# KiCad board 75he.kicad_pcb
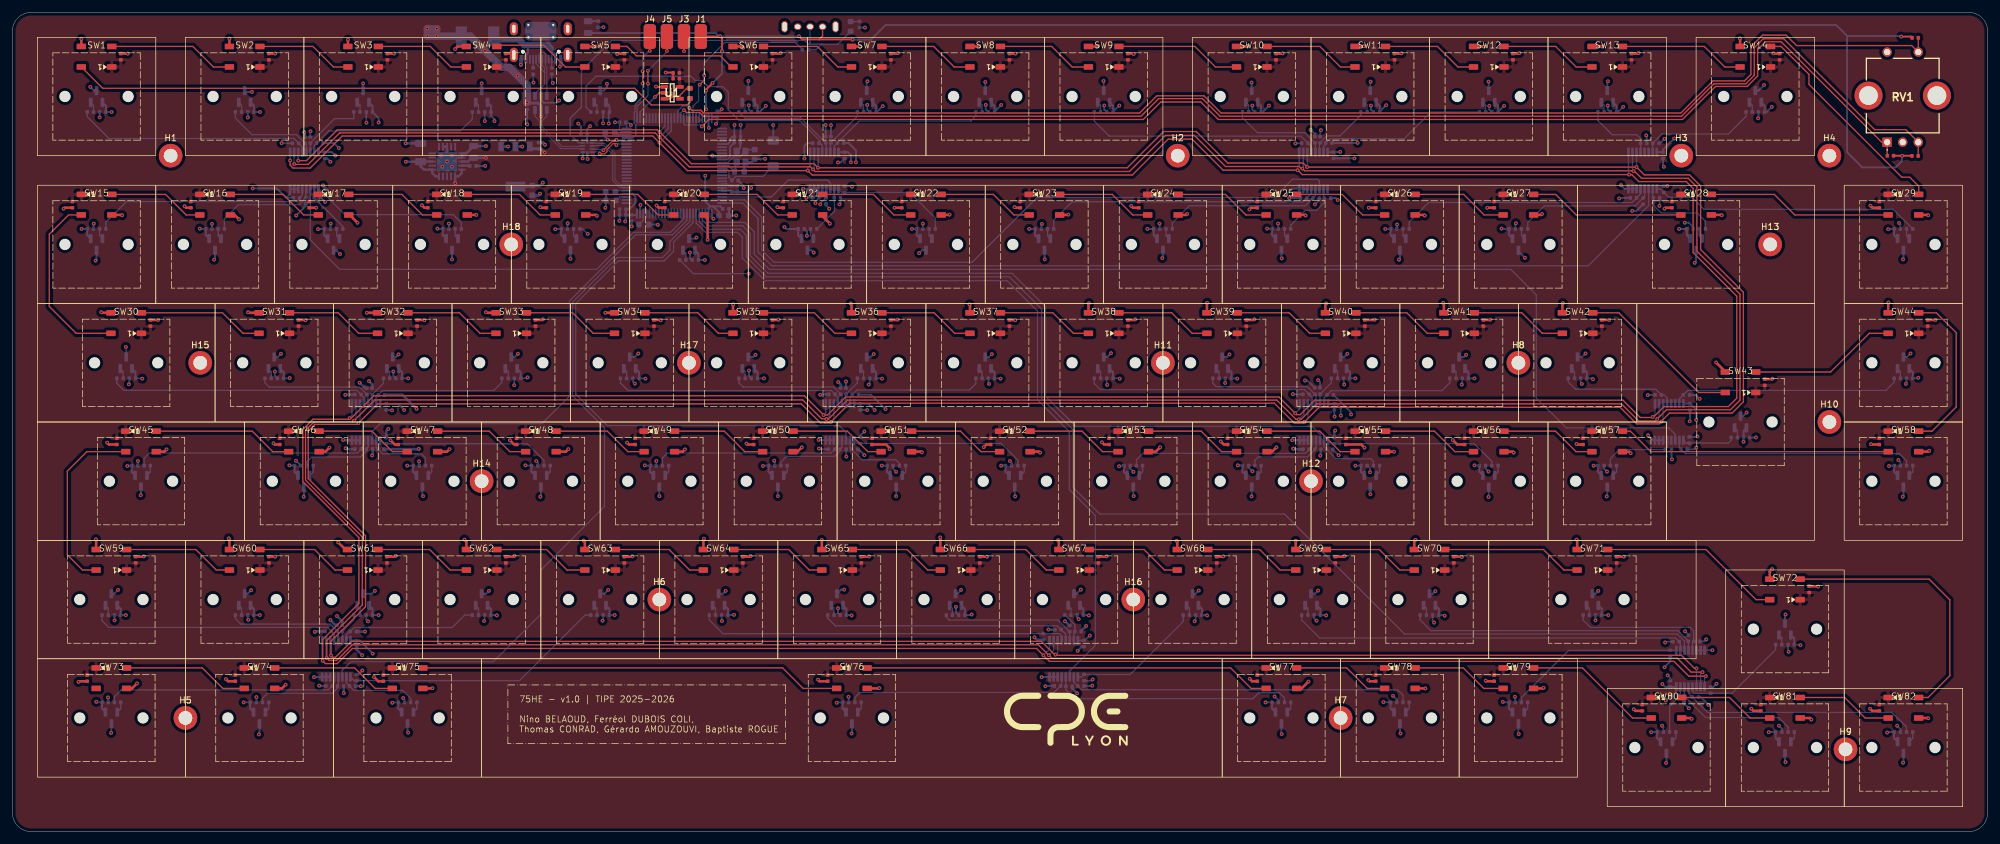
[diagram p0: board, top side]
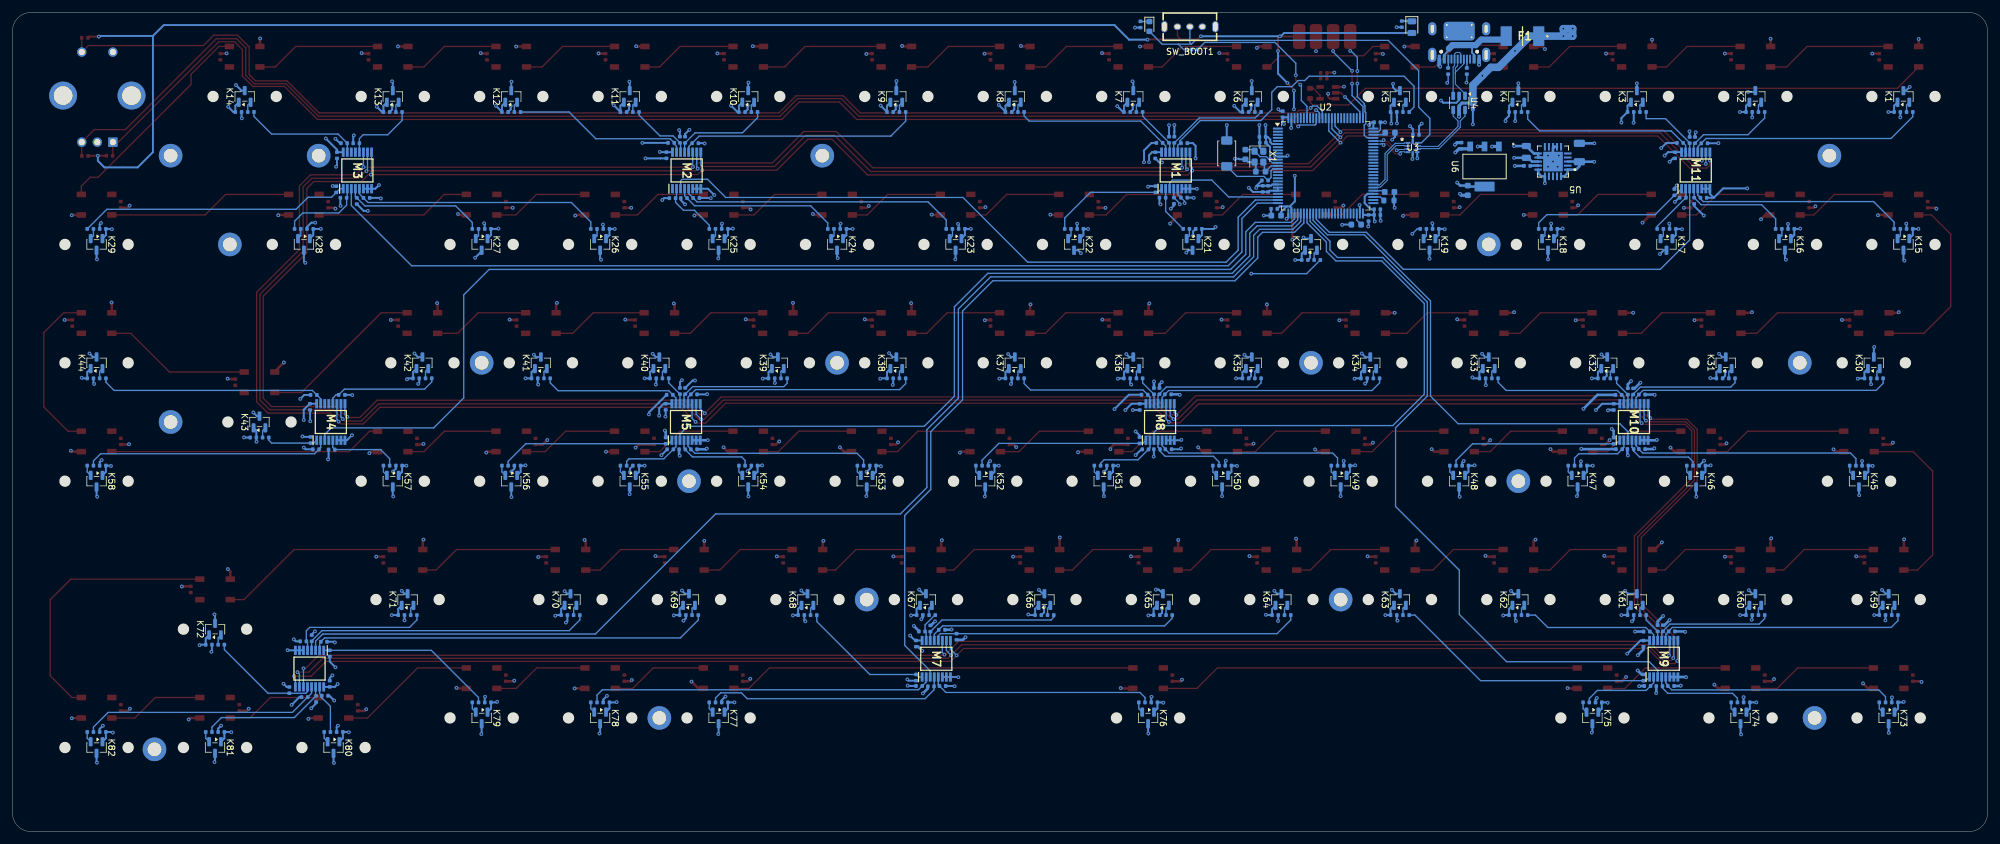
[diagram p1: board, bottom side, seen from below]

Outline 317.56 x 131.82 mm; copper layers: Top, In1.Cu, In2.Cu, In3.Cu, In4.Cu, Bottom. Coordinates in mm from the lower left corner of the outline.
Outline path: rectangle 0,131.82 317.56,0
Stack: Top 0.035mm / dielectric 0.0994mm FR4 er 4.5 / In1.Cu 0.0152mm / dielectric 0.55mm FR4 er 4.5 / In2.Cu 0.0152mm / dielectric 0.1088mm FR4 er 4.5 / In3.Cu 0.0152mm / dielectric 0.55mm FR4 er 4.5 / In4.Cu 0.0152mm / dielectric 0.0994mm FR4 er 4.5 / Bottom 0.035mm

## Placement (name value [footprint] x y rotation side)
C1  1uF  [C_0402]  115.67 103.44 90 bottom
C2  10nF  [C_0402]  116.52 103.44 90 bottom
C3  4.7uF  [C_0603]  114.37 99.14 0 bottom
C4  100nF  [C_0402]  99.52 98.74 270 bottom
C5  100nF  [C_0402]  98.12 114.14 180 bottom
C6  100nF  [C_0402]  116.58 111.79 0 bottom
C7  100nF  [C_0402]  116.52 110.86 0 bottom
C8  100nF  [C_0402]  114.7 100.21 0 bottom
C9  100nF  [C_0402]  113.33 115.44 90 bottom
C10  100nF  [C_0402]  106.73 121.19 180 top
C11  1uF  [C_0402]  106.73 122.09 180 top
C12  100nF  [C_0402]  98.12 100.14 180 bottom
C13  1uF  [C_0402]  98.12 99.24 180 bottom
C14  100nF  [C_0402]  116.17 104.79 0 bottom
C15  2.2uF  [C_0603]  96.14 102.94 180 bottom
C16  6pF  [C_0603]  119.33 108.96 270 bottom
C17  6pF  [C_0603]  116.87 106.21 0 bottom
C18  100nF  [C_0402]  91.9 112.15 0 bottom
C19  2.2uF  [C_0603]  101.5 97.69 0 bottom
C20  2.2uF  [C_0603]  96.06 112.47 180 bottom
C21  100nF  [C_0402]  82.75 116.71 270 bottom
C22  100nF  [C_0402]  222.08 96.99 180 bottom
C23  100nF  [C_0402]  203.03 96.99 180 bottom
C24  100nF  [C_0402]  38.34 115.8 0 bottom
C25  100nF  [C_0402]  138.35 115.8 0 bottom
C26  100nF  [C_0402]  157.4 115.8 0 bottom
C27  100nF  [C_0402]  238.36 115.8 0 bottom
C28  100nF  [C_0402]  252.65 72.94 0 bottom
C29  100nF  [C_0402]  305.04 72.94 0 bottom
C30  22nF  [C_0402]  45.53 110.77 0 bottom
C31  22nF  [C_0402]  47.03 111.28 270 bottom
C32  22nF  [C_0402]  47.89 111.28 270 bottom
C33  22nF  [C_0402]  49.44 110.82 180 bottom
C34  22nF  [C_0402]  129.17 110.79 0 bottom
C35  22nF  [C_0402]  130.76 111.33 270 bottom
C36  22nF  [C_0402]  131.61 111.33 270 bottom
C37  22nF  [C_0402]  133.14 110.83 180 bottom
C38  100nF  [C_0402]  114.54 34.84 0 bottom
C39  100nF  [C_0402]  19.29 72.94 0 bottom
C40  100nF  [C_0402]  164.93 96.99 180 bottom
C41  100nF  [C_0402]  183.98 96.99 180 bottom
C42  100nF  [C_0402]  57.39 115.8 0 bottom
C43  100nF  [C_0402]  119.3 115.8 0 bottom
C44  100nF  [C_0402]  200.26 115.8 0 bottom
C45  100nF  [C_0402]  133.97 20.79 180 bottom
C46  22nF  [C_0402]  207.79 110.78 0 bottom
C47  22nF  [C_0402]  209.42 111.33 270 bottom
C48  22nF  [C_0402]  210.26 111.33 270 bottom
C49  22nF  [C_0402]  211.66 110.84 180 bottom
C50  22nF  [C_0402]  262.28 110.78 180 bottom
C51  22nF  [C_0402]  264.24 110.78 180 bottom
C52  22nF  [C_0402]  45.66 102 0 bottom
C53  22nF  [C_0402]  47.17 101.51 90 bottom
C54  100nF  [C_0402]  257.41 115.8 0 bottom
C55  100nF  [C_0402]  152.64 34.84 0 bottom
C56  100nF  [C_0402]  281.23 115.8 0 bottom
C57  100nF  [C_0402]  126.83 96.99 180 bottom
C58  100nF  [C_0402]  145.88 96.99 180 bottom
C59  100nF  [C_0402]  57.39 34.84 0 bottom
C60  100nF  [C_0402]  76.44 115.8 0 bottom
C61  100nF  [C_0402]  95.49 115.8 0 bottom
C62  22nF  [C_0402]  48.99 102.02 180 bottom
C63  22nF  [C_0402]  50.34 102.89 270 bottom
C64  22nF  [C_0402]  129.19 102.02 0 bottom
C65  22nF  [C_0402]  130.81 101.52 90 bottom
C66  22nF  [C_0402]  132.65 102.01 180 bottom
C67  22nF  [C_0402]  133.78 103.37 270 bottom
C68  22nF  [C_0402]  207.62 101.96 0 bottom
C69  22nF  [C_0402]  209.61 101.94 180 bottom
C70  100nF  [C_0402]  176.45 115.8 0 bottom
C71  100nF  [C_0402]  219.31 115.8 0 bottom
C72  100nF  [C_0402]  255.03 34.84 0 bottom
C73  100nF  [C_0402]  171.69 34.84 0 bottom
C74  100nF  [C_0402]  43.1 72.94 0 bottom
C75  100nF  [C_0402]  88.72 96.99 180 bottom
C76  100nF  [C_0402]  109.77 91.99 0 bottom
C77  100nF  [C_0402]  303.04 16.02 180 bottom
C78  22nF  [C_0402]  211.45 101.94 180 bottom
C79  22nF  [C_0402]  260.63 101.98 0 bottom
C80  22nF  [C_0402]  262.19 101.49 90 bottom
C81  22nF  [C_0402]  264.34 102 180 bottom
C82  22nF  [C_0402]  265.5 103.36 270 bottom
C83  22nF  [C_0402]  55.56 70.33 0 bottom
C84  22nF  [C_0402]  56.97 70.83 270 bottom
C85  22nF  [C_0402]  57.83 70.83 270 bottom
C86  100nF  [C_0402]  62.53 20.79 180 bottom
C87  100nF  [C_0402]  217.31 58.89 180 bottom
C88  100nF  [C_0402]  19.67 58.89 180 bottom
C89  100nF  [C_0402]  278.84 63.41 180 bottom
C90  100nF  [C_0402]  38.34 34.84 0 bottom
C91  100nF  [C_0402]  62.15 72.94 0 bottom
C92  100nF  [C_0402]  69.67 96.99 180 bottom
C93  100nF  [C_0402]  76.44 34.84 0 bottom
C94  22nF  [C_0402]  59.33 70.28 180 bottom
C95  22nF  [C_0402]  131.77 70.37 0 bottom
C96  22nF  [C_0402]  133.15 70.88 270 bottom
C97  22nF  [C_0402]  134.03 70.88 270 bottom
C98  22nF  [C_0402]  135.53 70.3 180 bottom
C99  22nF  [C_0402]  208 70.36 0 bottom
C100  22nF  [C_0402]  209.4 70.9 270 bottom
C101  22nF  [C_0402]  210.24 70.9 270 bottom
C102  100nF  [C_0402]  133.59 34.84 0 bottom
C103  100nF  [C_0402]  285.99 30.07 0 bottom
C104  100nF  [C_0402]  283.99 16.02 180 bottom
C105  100nF  [C_0402]  228.84 34.84 0 bottom
C106  100nF  [C_0402]  264.94 16.02 180 bottom
C107  100nF  [C_0402]  176.45 72.94 0 bottom
C108  100nF  [C_0402]  14.91 20.79 180 bottom
C109  100nF  [C_0402]  233.6 72.94 0 bottom
C110  22nF  [C_0402]  211.89 70.29 180 bottom
C111  22nF  [C_0402]  264.62 70.28 0 bottom
C112  22nF  [C_0402]  269.62 63.02 270 bottom
C113  22nF  [C_0402]  269.12 70.27 180 bottom
C114  22nF  [C_0402]  55.56 61.56 0 bottom
C115  22nF  [C_0402]  57.41 61.56 180 bottom
C116  22nF  [C_0402]  59.24 61.55 180 bottom
C117  22nF  [C_0402]  60.11 62.9 270 bottom
C118  100nF  [C_0402]  241.12 20.79 180 bottom
C119  100nF  [C_0402]  16.91 34.84 0 bottom
C120  100nF  [C_0402]  203.03 20.79 180 bottom
C121  100nF  [C_0402]  209.79 34.84 0 bottom
C122  100nF  [C_0402]  38.72 20.79 180 bottom
C123  100nF  [C_0402]  195.5 72.94 0 bottom
C124  100nF  [C_0402]  255.41 58.89 180 bottom
C125  100nF  [C_0402]  214.55 72.94 0 bottom
C126  22nF  [C_0402]  131.7 61.53 0 bottom
C127  22nF  [C_0402]  133.55 61.53 180 bottom
C128  22nF  [C_0402]  135.41 61.52 180 bottom
C129  22nF  [C_0402]  136.34 62.97 270 bottom
C130  22nF  [C_0402]  208 61.52 0 bottom
C131  22nF  [C_0402]  209.88 61.52 180 bottom
C132  22nF  [C_0402]  211.8 61.52 180 bottom
C133  22nF  [C_0402]  212.53 62.92 270 bottom
C134  100nF  [C_0402]  222.08 20.79 180 bottom
C135  100nF  [C_0402]  190.74 34.84 0 bottom
C136  100nF  [C_0402]  303.04 96.99 180 bottom
C137  100nF  [C_0402]  119.3 72.94 0 bottom
C138  100nF  [C_0402]  141.11 58.89 180 bottom
C139  100nF  [C_0402]  138.35 72.94 0 bottom
C140  100nF  [C_0402]  103.01 58.89 180 bottom
C141  100nF  [C_0402]  14.53 115.8 0 bottom
C142  22nF  [C_0402]  266.24 61.48 180 bottom
C143  22nF  [C_0402]  268.76 61.53 180 bottom
C144  22nF  [C_0402]  50.78 32.21 0 bottom
C145  22nF  [C_0402]  52.19 32.71 270 bottom
C146  22nF  [C_0402]  53.05 32.71 270 bottom
C147  22nF  [C_0402]  54.8 32.19 180 bottom
C148  22nF  [C_0402]  55.33 24.79 270 bottom
C149  22nF  [C_0402]  165.78 31.36 90 bottom
C150  100nF  [C_0402]  95.49 34.84 0 bottom
C151  100nF  [C_0402]  100.25 72.94 0 bottom
C152  100nF  [C_0402]  179.21 58.89 180 bottom
C153  100nF  [C_0402]  157.4 72.94 0 bottom
C154  100nF  [C_0402]  160.16 58.89 180 bottom
C155  100nF  [C_0402]  31.57 96.99 180 bottom
C156  100nF  [C_0402]  83.96 58.89 180 bottom
C157  100nF  [C_0402]  12.53 96.99 180 bottom
C158  22nF  [C_0402]  168.12 32.48 0 bottom
C159  22nF  [C_0402]  169.98 32.68 270 bottom
C160  22nF  [C_0402]  171.33 32.2 180 bottom
C161  22nF  [C_0402]  172.28 24.79 90 bottom
C162  22nF  [C_0402]  267.49 30.55 0 bottom
C163  22nF  [C_0402]  269.44 31.12 270 bottom
C164  22nF  [C_0402]  270.81 30.62 180 bottom
C165  22nF  [C_0402]  273.05 22.77 270 bottom
C166  100nF  [C_0402]  303.04 58.89 180 bottom
C167  100nF  [C_0402]  64.91 58.89 180 bottom
C168  22nF  [C_0402]  50.91 23.43 0 bottom
C169  22nF  [C_0402]  52.77 23.41 180 bottom
C170  100nF  [C_0402]  236.36 58.89 180 bottom
C171  100nF  [C_0402]  81.2 72.94 0 bottom
C172  100nF  [C_0402]  198.26 58.89 180 bottom
C173  100nF  [C_0402]  50.62 96.99 180 bottom
C174  100nF  [C_0402]  122.06 58.89 180 bottom
C175  100nF  [C_0402]  241.12 96.99 180 bottom
C176  100nF  [C_0402]  45.86 58.89 180 bottom
C177  100nF  [C_0402]  269.7 96.99 180 bottom
C178  22nF  [C_0402]  54.69 23.43 180 bottom
C179  22nF  [C_0402]  168.02 23.43 0 bottom
C180  22nF  [C_0402]  169.89 23.38 180 bottom
C181  22nF  [C_0402]  171.79 23.44 180 bottom
C182  22nF  [C_0402]  266.55 28.67 90 bottom
C183  22nF  [C_0402]  267.33 21.86 0 bottom
C184  22nF  [C_0402]  268.74 21.35 90 bottom
C185  22nF  [C_0402]  270.59 21.64 180 bottom
C197  47uF  [C_1206]  65.62 109.28 90 bottom
C198  10uF  [C_0805]  74.16 109.38 90 bottom
C199  4.7uF  [C_0603]  83.58 103.18 270 bottom
C200  1uF  [C_0402]  84.59 110.38 90 bottom
C201  1uF  [C_0402]  74.03 107.13 0 bottom
C202  100nF  [C_0402]  17.43 124.7 90 top
C203  100nF  [C_0402]  41.24 124.7 90 top
C204  100nF  [C_0402]  60.29 124.7 90 top
C205  100nF  [C_0402]  79.34 124.7 90 top
C206  100nF  [C_0402]  98.39 124.7 90 top
C207  100nF  [C_0402]  122.2 124.7 90 top
C208  100nF  [C_0402]  141.25 124.7 90 top
C209  100nF  [C_0402]  160.3 124.7 90 top
C210  100nF  [C_0402]  179.35 124.7 90 top
C211  100nF  [C_0402]  203.16 124.7 90 top
C212  100nF  [C_0402]  222.21 124.7 90 top
C213  100nF  [C_0402]  241.26 124.7 90 top
C214  100nF  [C_0402]  252.51 62.79 270 top
C215  100nF  [C_0402]  300.14 62.79 270 top
C216  100nF  [C_0402]  300.14 19.92 270 top
C217  100nF  [C_0402]  281.09 19.92 270 top
C218  100nF  [C_0402]  262.04 19.92 270 top
C219  100nF  [C_0402]  238.23 24.69 270 top
C220  100nF  [C_0402]  162.03 100.89 270 top
C221  100nF  [C_0402]  219.18 24.69 270 top
C222  100nF  [C_0402]  200.12 24.69 270 top
C223  100nF  [C_0402]  35.82 24.69 270 top
C224  100nF  [C_0402]  59.63 24.69 270 top
C225  100nF  [C_0402]  131.07 24.69 270 top
C226  100nF  [C_0402]  219.18 100.89 270 top
C227  100nF  [C_0402]  200.12 100.89 270 top
C228  100nF  [C_0402]  181.08 100.89 270 top
C229  100nF  [C_0402]  142.98 100.89 270 top
C230  100nF  [C_0402]  123.92 100.89 270 top
C231  100nF  [C_0402]  104.87 100.89 270 top
C232  100nF  [C_0402]  85.83 100.89 270 top
C233  100nF  [C_0402]  66.77 100.89 270 top
C234  100nF  [C_0402]  47.72 100.89 270 top
C235  100nF  [C_0402]  217.45 81.84 90 top
C236  100nF  [C_0402]  100.11 62.79 270 top
C237  100nF  [C_0402]  16.77 62.79 270 top
C238  100nF  [C_0402]  193.64 43.74 90 top
C239  100nF  [C_0402]  117.44 43.74 90 top
C240  100nF  [C_0402]  41.24 43.74 90 top
C241  100nF  [C_0402]  307.94 81.84 90 top
C242  100nF  [C_0402]  28.68 100.89 270 top
C243  100nF  [C_0402]  9.63 100.89 270 top
C244  100nF  [C_0402]  81.06 62.79 270 top
C245  100nF  [C_0402]  157.26 62.79 270 top
C246  100nF  [C_0402]  174.59 43.74 90 top
C247  100nF  [C_0402]  98.39 43.74 90 top
C248  100nF  [C_0402]  79.34 43.74 90 top
C249  100nF  [C_0402]  266.8 100.89 270 top
C250  100nF  [C_0402]  176.31 62.79 270 top
C251  100nF  [C_0402]  138.21 62.79 270 top
C252  100nF  [C_0402]  62.01 62.79 270 top
C253  100nF  [C_0402]  214.41 62.79 270 top
C254  100nF  [C_0402]  155.54 43.74 90 top
C255  100nF  [C_0402]  19.81 43.74 90 top
C256  100nF  [C_0402]  300.14 100.89 270 top
C257  100nF  [C_0402]  238.23 100.89 270 top
C258  100nF  [C_0402]  195.36 62.79 270 top
C259  100nF  [C_0402]  119.16 62.79 270 top
C260  100nF  [C_0402]  42.96 62.79 270 top
C261  100nF  [C_0402]  233.46 62.79 270 top
C262  100nF  [C_0402]  136.49 43.74 90 top
C263  100nF  [C_0402]  60.22 43.74 90 top
C264  100nF  [C_0402]  12.01 24.69 270 top
C265  100nF  [C_0402]  212.69 43.74 90 top
C266  100nF  [C_0402]  260.31 124.7 90 top
C267  100nF  [C_0402]  284.12 124.7 90 top
C268  100nF  [C_0402]  255.55 81.84 90 top
C269  100nF  [C_0402]  281.74 72.31 90 top
C270  100nF  [C_0402]  288.89 38.97 90 top
C271  100nF  [C_0402]  257.93 43.74 90 top
C272  100nF  [C_0402]  231.74 43.74 90 top
C273  100nF  [C_0402]  103.15 81.84 90 top
C274  100nF  [C_0402]  122.2 81.84 90 top
C275  100nF  [C_0402]  141.25 81.84 90 top
C276  100nF  [C_0402]  160.3 81.84 90 top
C277  100nF  [C_0402]  179.35 81.84 90 top
C278  100nF  [C_0402]  198.4 81.84 90 top
C279  100nF  [C_0402]  236.5 81.84 90 top
C280  100nF  [C_0402]  22.19 81.84 90 top
C281  100nF  [C_0402]  46 81.84 90 top
C282  100nF  [C_0402]  65.05 81.84 90 top
C283  100nF  [C_0402]  84.1 81.84 90 top
C284  100nF  [C_0402]  133.81 108.83 270 bottom
C285  100nF  [C_0402]  212.42 108.84 270 bottom
C286  100nF  [C_0402]  265.38 108.84 270 bottom
C287  100nF  [C_0402]  212.54 68.36 270 bottom
C288  100nF  [C_0402]  55.33 30.25 270 bottom
C289  100nF  [C_0402]  266.55 23.79 90 bottom
C290  100nF  [C_0402]  60.11 68.35 270 bottom
C291  100nF  [C_0402]  172.29 30.26 270 bottom
C292  100nF  [C_0402]  50.25 108.84 270 bottom
C293  100nF  [C_0402]  136.33 68.35 270 bottom
C295  100nF  [C_0402]  269.72 68.35 270 bottom
D1  WS2812B  [LED_WS2812B_PLCC4_5.0x5.0mm_P3.2mm]  13.53 124.7 180 top
D2  WS2812B  [LED_WS2812B_PLCC4_5.0x5.0mm_P3.2mm]  37.34 124.7 180 top
D3  WS2812B  [LED_WS2812B_PLCC4_5.0x5.0mm_P3.2mm]  56.39 124.7 180 top
D4  WS2812B  [LED_WS2812B_PLCC4_5.0x5.0mm_P3.2mm]  75.44 124.7 180 top
D5  WS2812B  [LED_WS2812B_PLCC4_5.0x5.0mm_P3.2mm]  94.49 124.7 180 top
D6  WS2812B  [LED_WS2812B_PLCC4_5.0x5.0mm_P3.2mm]  118.3 124.7 180 top
D7  WS2812B  [LED_WS2812B_PLCC4_5.0x5.0mm_P3.2mm]  137.35 124.7 180 top
D8  WS2812B  [LED_WS2812B_PLCC4_5.0x5.0mm_P3.2mm]  156.4 124.7 180 top
D9  WS2812B  [LED_WS2812B_PLCC4_5.0x5.0mm_P3.2mm]  175.45 124.7 180 top
D10  WS2812B  [LED_WS2812B_PLCC4_5.0x5.0mm_P3.2mm]  199.26 124.7 180 top
D11  WS2812B  [LED_WS2812B_PLCC4_5.0x5.0mm_P3.2mm]  218.31 124.7 180 top
D12  WS2812B  [LED_WS2812B_PLCC4_5.0x5.0mm_P3.2mm]  237.36 124.7 180 top
D13  WS2812B  [LED_WS2812B_PLCC4_5.0x5.0mm_P3.2mm]  256.41 124.7 180 top
D14  WS2812B  [LED_WS2812B_PLCC4_5.0x5.0mm_P3.2mm]  280.23 124.7 180 top
D15  WS2812B  [LED_WS2812B_PLCC4_5.0x5.0mm_P3.2mm]  13.53 100.89 0 top
D16  WS2812B  [LED_WS2812B_PLCC4_5.0x5.0mm_P3.2mm]  32.58 100.89 0 top
D17  WS2812B  [LED_WS2812B_PLCC4_5.0x5.0mm_P3.2mm]  51.62 100.89 0 top
D18  WS2812B  [LED_WS2812B_PLCC4_5.0x5.0mm_P3.2mm]  70.67 100.89 0 top
D19  WS2812B  [LED_WS2812B_PLCC4_5.0x5.0mm_P3.2mm]  89.72 100.89 0 top
D20  WS2812B  [LED_WS2812B_PLCC4_5.0x5.0mm_P3.2mm]  108.77 100.89 0 top
D21  WS2812B  [LED_WS2812B_PLCC4_5.0x5.0mm_P3.2mm]  127.83 100.89 0 top
D22  WS2812B  [LED_WS2812B_PLCC4_5.0x5.0mm_P3.2mm]  146.88 100.89 0 top
D23  WS2812B  [LED_WS2812B_PLCC4_5.0x5.0mm_P3.2mm]  165.93 100.89 0 top
D24  WS2812B  [LED_WS2812B_PLCC4_5.0x5.0mm_P3.2mm]  184.98 100.89 0 top
D25  WS2812B  [LED_WS2812B_PLCC4_5.0x5.0mm_P3.2mm]  204.03 100.89 0 top
D26  WS2812B  [LED_WS2812B_PLCC4_5.0x5.0mm_P3.2mm]  223.08 100.89 0 top
D27  WS2812B  [LED_WS2812B_PLCC4_5.0x5.0mm_P3.2mm]  242.12 100.89 0 top
D28  WS2812B  [LED_WS2812B_PLCC4_5.0x5.0mm_P3.2mm]  270.7 100.89 0 top
D29  WS2812B  [LED_WS2812B_PLCC4_5.0x5.0mm_P3.2mm]  304.04 100.89 0 top
D30  WS2812B  [LED_WS2812B_PLCC4_5.0x5.0mm_P3.2mm]  18.29 81.84 180 top
D31  WS2812B  [LED_WS2812B_PLCC4_5.0x5.0mm_P3.2mm]  42.1 81.84 180 top
D32  WS2812B  [LED_WS2812B_PLCC4_5.0x5.0mm_P3.2mm]  61.15 81.84 180 top
D33  WS2812B  [LED_WS2812B_PLCC4_5.0x5.0mm_P3.2mm]  80.2 81.84 180 top
D34  WS2812B  [LED_WS2812B_PLCC4_5.0x5.0mm_P3.2mm]  99.25 81.84 180 top
D35  WS2812B  [LED_WS2812B_PLCC4_5.0x5.0mm_P3.2mm]  118.3 81.84 180 top
D36  WS2812B  [LED_WS2812B_PLCC4_5.0x5.0mm_P3.2mm]  137.35 81.84 180 top
D37  WS2812B  [LED_WS2812B_PLCC4_5.0x5.0mm_P3.2mm]  156.4 81.84 180 top
D38  WS2812B  [LED_WS2812B_PLCC4_5.0x5.0mm_P3.2mm]  175.45 81.84 180 top
D39  WS2812B  [LED_WS2812B_PLCC4_5.0x5.0mm_P3.2mm]  194.5 81.84 180 top
D40  WS2812B  [LED_WS2812B_PLCC4_5.0x5.0mm_P3.2mm]  213.55 81.84 180 top
D41  WS2812B  [LED_WS2812B_PLCC4_5.0x5.0mm_P3.2mm]  232.6 81.84 180 top
D42  WS2812B  [LED_WS2812B_PLCC4_5.0x5.0mm_P3.2mm]  251.65 81.84 180 top
D43  WS2812B  [LED_WS2812B_PLCC4_5.0x5.0mm_P3.2mm]  277.84 72.31 180 top
D44  WS2812B  [LED_WS2812B_PLCC4_5.0x5.0mm_P3.2mm]  304.04 81.84 180 top
D45  WS2812B  [LED_WS2812B_PLCC4_5.0x5.0mm_P3.2mm]  20.67 62.79 0 top
D46  WS2812B  [LED_WS2812B_PLCC4_5.0x5.0mm_P3.2mm]  46.86 62.79 0 top
D47  WS2812B  [LED_WS2812B_PLCC4_5.0x5.0mm_P3.2mm]  65.91 62.79 0 top
D48  WS2812B  [LED_WS2812B_PLCC4_5.0x5.0mm_P3.2mm]  84.96 62.79 0 top
D49  WS2812B  [LED_WS2812B_PLCC4_5.0x5.0mm_P3.2mm]  104.01 62.79 0 top
D50  WS2812B  [LED_WS2812B_PLCC4_5.0x5.0mm_P3.2mm]  123.06 62.79 0 top
D51  WS2812B  [LED_WS2812B_PLCC4_5.0x5.0mm_P3.2mm]  142.11 62.79 0 top
D52  WS2812B  [LED_WS2812B_PLCC4_5.0x5.0mm_P3.2mm]  161.16 62.79 0 top
D53  WS2812B  [LED_WS2812B_PLCC4_5.0x5.0mm_P3.2mm]  180.21 62.79 0 top
D54  WS2812B  [LED_WS2812B_PLCC4_5.0x5.0mm_P3.2mm]  199.26 62.79 0 top
D55  WS2812B  [LED_WS2812B_PLCC4_5.0x5.0mm_P3.2mm]  218.31 62.79 0 top
D56  WS2812B  [LED_WS2812B_PLCC4_5.0x5.0mm_P3.2mm]  237.36 62.79 0 top
D57  WS2812B  [LED_WS2812B_PLCC4_5.0x5.0mm_P3.2mm]  256.41 62.79 0 top
D58  WS2812B  [LED_WS2812B_PLCC4_5.0x5.0mm_P3.2mm]  304.04 62.79 0 top
D59  WS2812B  [LED_WS2812B_PLCC4_5.0x5.0mm_P3.2mm]  15.91 43.74 180 top
D60  WS2812B  [LED_WS2812B_PLCC4_5.0x5.0mm_P3.2mm]  37.34 43.74 180 top
D61  WS2812B  [LED_WS2812B_PLCC4_5.0x5.0mm_P3.2mm]  56.33 43.74 180 top
D62  WS2812B  [LED_WS2812B_PLCC4_5.0x5.0mm_P3.2mm]  75.44 43.74 180 top
D63  WS2812B  [LED_WS2812B_PLCC4_5.0x5.0mm_P3.2mm]  94.49 43.74 180 top
D64  WS2812B  [LED_WS2812B_PLCC4_5.0x5.0mm_P3.2mm]  113.54 43.74 180 top
D65  WS2812B  [LED_WS2812B_PLCC4_5.0x5.0mm_P3.2mm]  132.59 43.74 180 top
D66  WS2812B  [LED_WS2812B_PLCC4_5.0x5.0mm_P3.2mm]  151.64 43.74 180 top
D67  WS2812B  [LED_WS2812B_PLCC4_5.0x5.0mm_P3.2mm]  170.69 43.74 180 top
D68  WS2812B  [LED_WS2812B_PLCC4_5.0x5.0mm_P3.2mm]  189.74 43.74 180 top
D69  WS2812B  [LED_WS2812B_PLCC4_5.0x5.0mm_P3.2mm]  208.79 43.74 180 top
D70  WS2812B  [LED_WS2812B_PLCC4_5.0x5.0mm_P3.2mm]  227.84 43.74 180 top
D71  WS2812B  [LED_WS2812B_PLCC4_5.0x5.0mm_P3.2mm]  254.03 43.74 180 top
D72  WS2812B  [LED_WS2812B_PLCC4_5.0x5.0mm_P3.2mm]  284.99 38.97 180 top
D73  WS2812B  [LED_WS2812B_PLCC4_5.0x5.0mm_P3.2mm]  15.91 24.69 0 top
D74  WS2812B  [LED_WS2812B_PLCC4_5.0x5.0mm_P3.2mm]  39.72 24.69 0 top
D75  WS2812B  [LED_WS2812B_PLCC4_5.0x5.0mm_P3.2mm]  63.53 24.69 0 top
D76  WS2812B  [LED_WS2812B_PLCC4_5.0x5.0mm_P3.2mm]  134.97 24.69 0 top
D77  WS2812B  [LED_WS2812B_PLCC4_5.0x5.0mm_P3.2mm]  204.03 24.69 0 top
D78  WS2812B  [LED_WS2812B_PLCC4_5.0x5.0mm_P3.2mm]  223.08 24.69 0 top
D79  WS2812B  [LED_WS2812B_PLCC4_5.0x5.0mm_P3.2mm]  242.12 24.69 0 top
D80  WS2812B  [LED_WS2812B_PLCC4_5.0x5.0mm_P3.2mm]  265.94 19.92 0 top
D81  WS2812B  [LED_WS2812B_PLCC4_5.0x5.0mm_P3.2mm]  284.99 19.92 0 top
D82  WS2812B  [LED_WS2812B_PLCC4_5.0x5.0mm_P3.2mm]  304.04 19.92 0 top
F1  1812L300_24SLER  [1812L190SLPR]  74.77 128.01 0 bottom
G***  -  [LOGO]  169.42 18.07 0 top
H1  MountingHole_Pad  [MountingHole_2.2mm_M2_ISO14580_Pad]  25.43 108.77 0 top
H2  MountingHole_Pad  [MountingHole_2.2mm_M2_ISO14580_Pad]  187.36 108.77 0 top
H3  MountingHole_Pad  [MountingHole_2.2mm_M2_ISO14580_Pad]  268.32 108.77 0 top
H4  MountingHole_Pad  [MountingHole_2.2mm_M2_ISO14580_Pad]  292.13 108.77 0 top
H5  MountingHole_Pad  [MountingHole_2.2mm_M2_ISO14580_Pad]  27.81 18.29 0 top
H6  MountingHole_Pad  [MountingHole_2.2mm_M2_ISO14580_Pad]  104.01 37.34 0 top
H7  MountingHole_Pad  [MountingHole_2.2mm_M2_ISO14580_Pad]  213.55 18.29 0 top
H8  MountingHole_Pad  [MountingHole_2.2mm_M2_ISO14580_Pad]  242.12 75.44 0 top
H9  MountingHole_Pad  [MountingHole_2.2mm_M2_ISO14580_Pad]  294.73 13.24 0 top
H10  MountingHole_Pad  [MountingHole_2.2mm_M2_ISO14580_Pad]  292.13 65.91 0 top
H11  MountingHole_Pad  [MountingHole_2.2mm_M2_ISO14580_Pad]  184.98 75.44 0 top
H12  MountingHole_Pad  [MountingHole_2.2mm_M2_ISO14580_Pad]  208.79 56.39 0 top
H13  MountingHole_Pad  [MountingHole_2.2mm_M2_ISO14580_Pad]  282.61 94.49 0 top
H14  MountingHole_Pad  [MountingHole_2.2mm_M2_ISO14580_Pad]  75.44 56.39 0 top
H15  MountingHole_Pad  [MountingHole_2.2mm_M2_ISO14580_Pad]  30.19 75.44 0 top
H16  MountingHole_Pad  [MountingHole_2.2mm_M2_ISO14580_Pad]  180.21 37.34 0 top
H17  MountingHole_Pad  [MountingHole_2.2mm_M2_ISO14580_Pad]  108.77 75.44 0 top
H18  MountingHole_Pad  [MountingHole_2.2mm_M2_ISO14580_Pad]  80.2 94.49 0 top
J1  SWD_3.3V  [SolderWirePad_1x01_SMD_2x4mm]  110.67 127.95 0 top
J2  Connector, USB-TYPE-C-16P  [TYPE-C-SMD_HX-TYPE-C-16PIN]  84.95 126.81 0 bottom
J3  SWD_GND  [SolderWirePad_1x01_SMD_2x4mm]  107.98 127.95 0 top
J4  SWD_SWDIO  [SolderWirePad_1x01_SMD_2x4mm]  102.47 127.95 0 top
J5  SWD_SWCLK  [SolderWirePad_1x01_SMD_2x4mm]  105.23 127.95 0 top
K1  DRV5055A3xDBZxQ1  [SOT-23]  13.53 118.3 90 bottom
K2  DRV5055A3xDBZxQ1  [SOT-23]  37.34 118.3 90 bottom
K3  DRV5055A3xDBZxQ1  [SOT-23]  56.39 118.3 90 bottom
K4  DRV5055A3xDBZxQ1  [SOT-23]  75.44 118.3 90 bottom
K5  DRV5055A3xDBZxQ1  [SOT-23]  94.49 118.3 90 bottom
K6  DRV5055A3xDBZxQ1  [SOT-23]  118.3 118.3 90 bottom
K7  DRV5055A3xDBZxQ1  [SOT-23]  137.35 118.3 90 bottom
K8  DRV5055A3xDBZxQ1  [SOT-23]  156.4 118.3 90 bottom
K9  DRV5055A3xDBZxQ1  [SOT-23]  175.45 118.3 90 bottom
K10  DRV5055A3xDBZxQ1  [SOT-23]  199.26 118.3 90 bottom
K11  DRV5055A3xDBZxQ1  [SOT-23]  218.31 118.3 90 bottom